# Altium PCB PCB.PcbDoc (part 1 of 2)
Units mil, origin at the board's own origin, x right, y up, seen from the top; angles counter-clockwise.
Board outline 4724.62 x 3937.2 mil, 2 copper layers (Top Layer, Bottom Layer); 163 components, 141 nets, 550 pads, 397 vias.
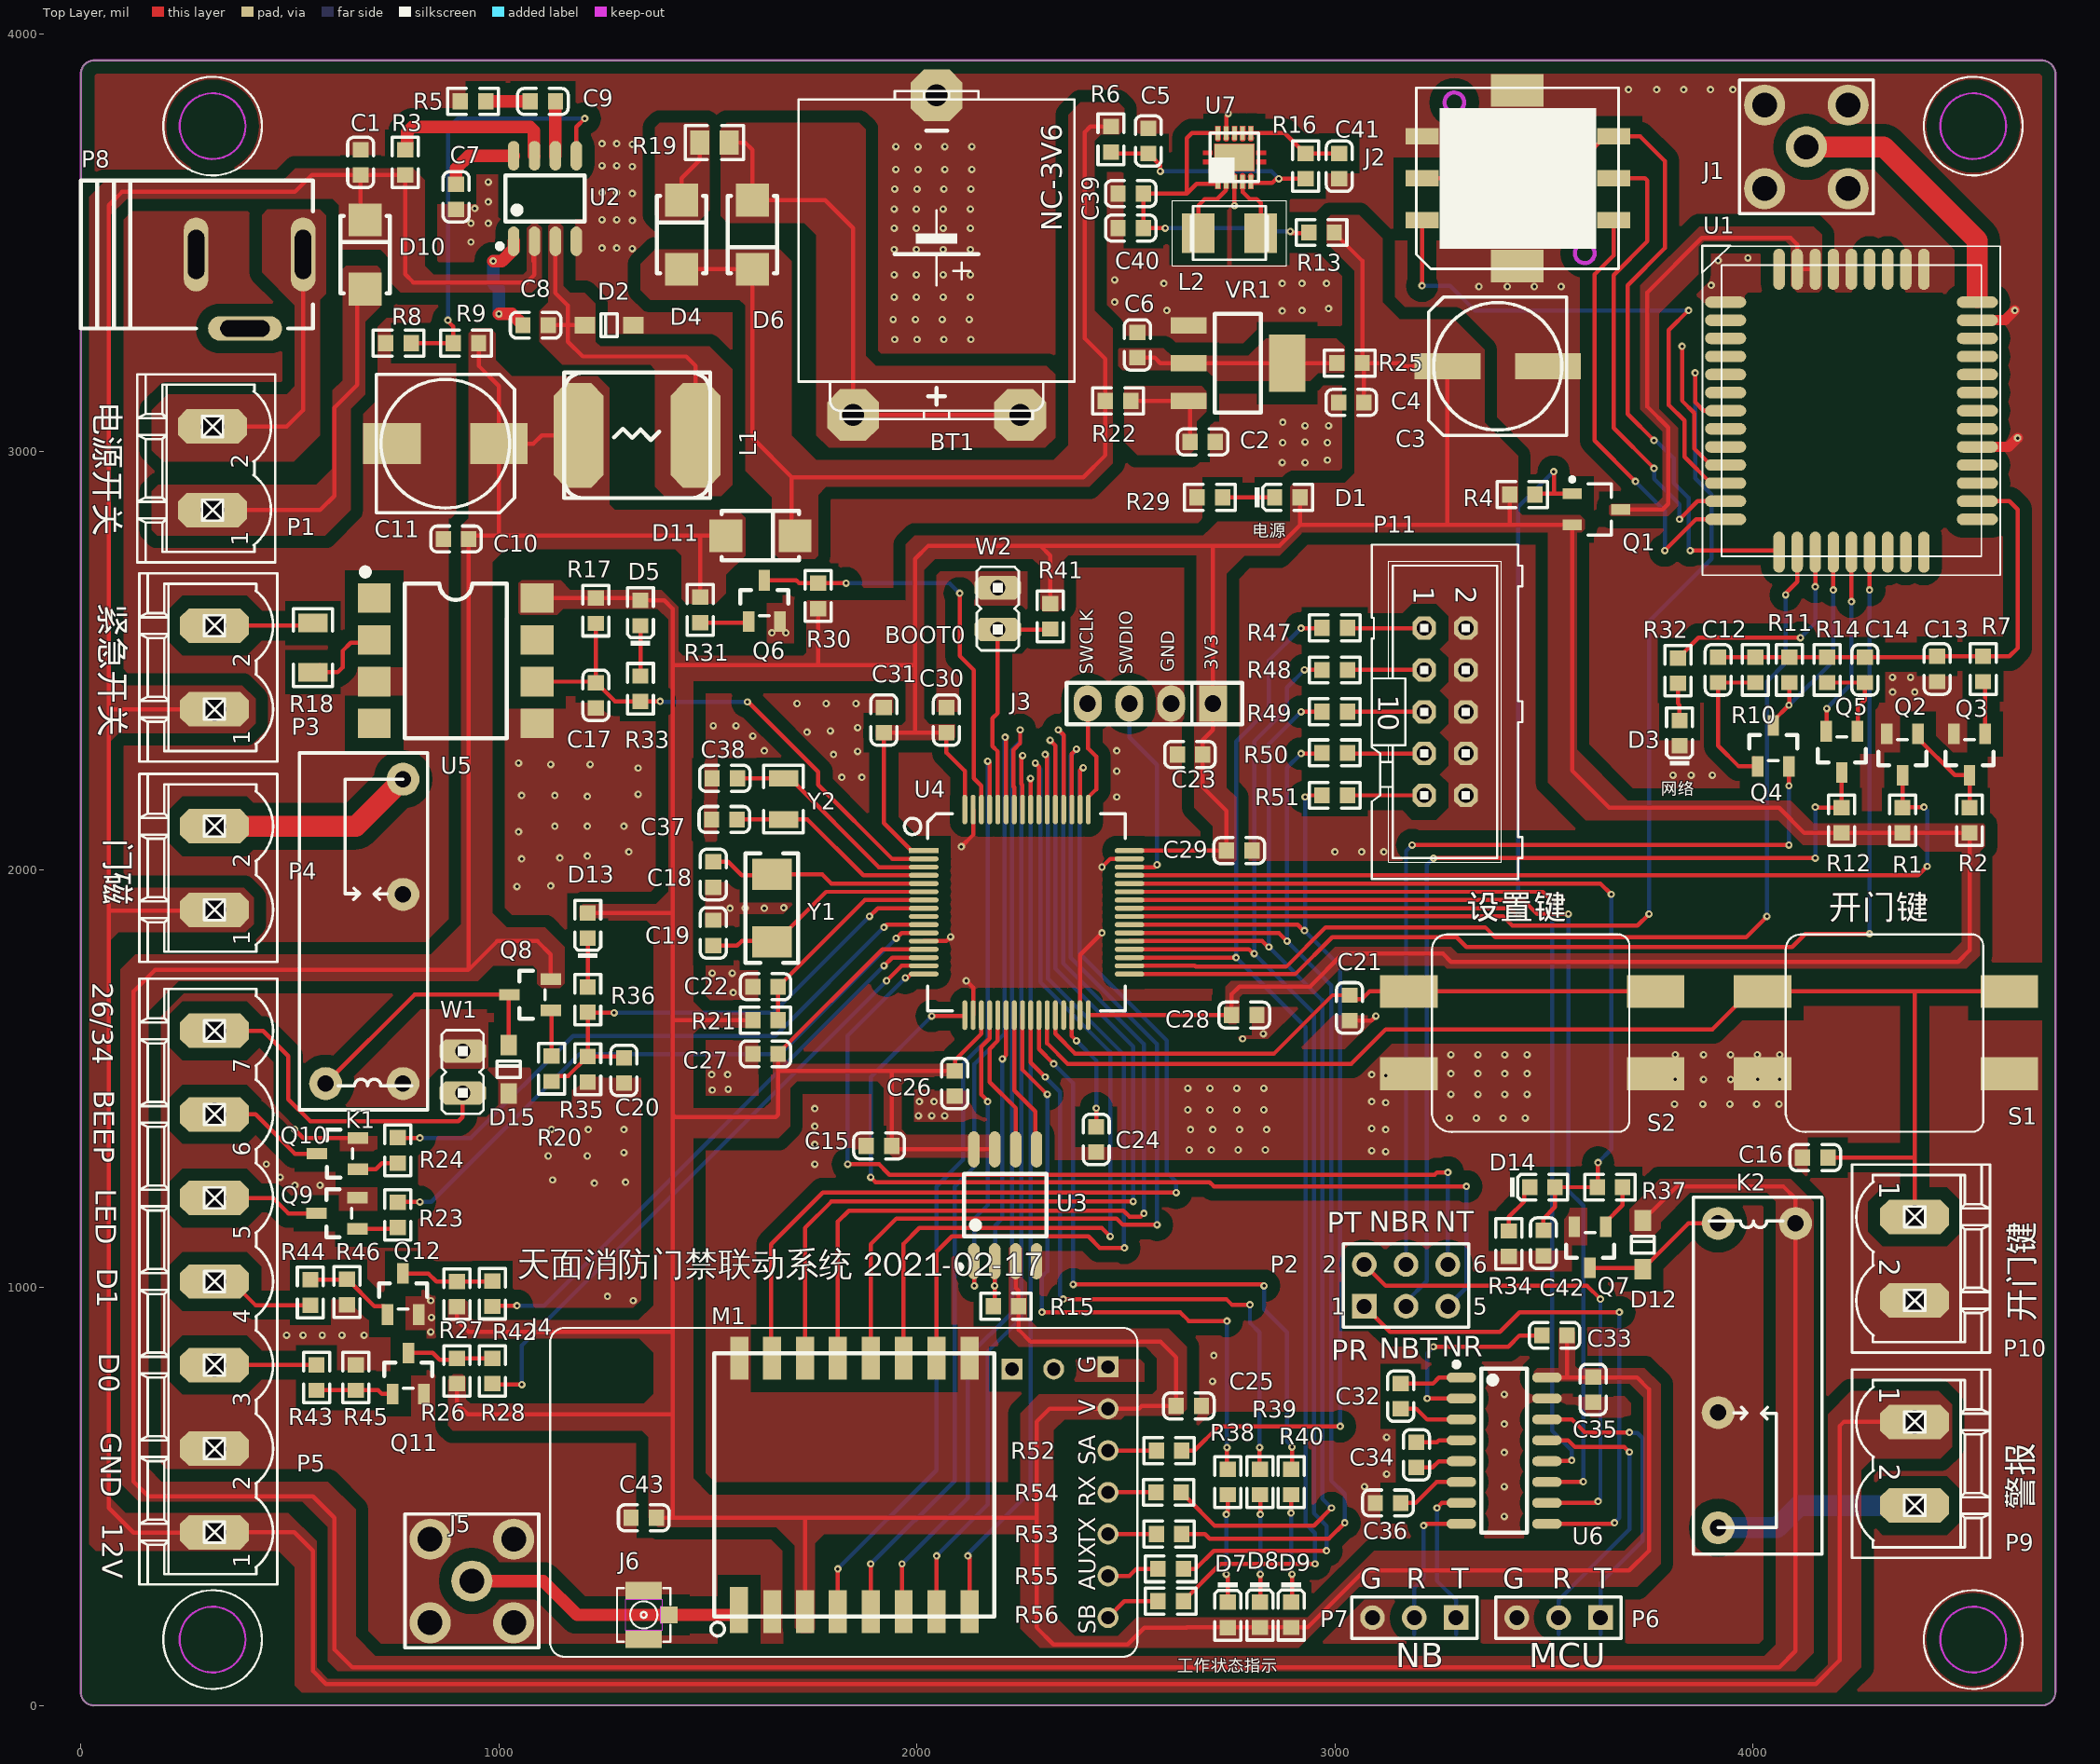
[diagram p0: Top Layer view]
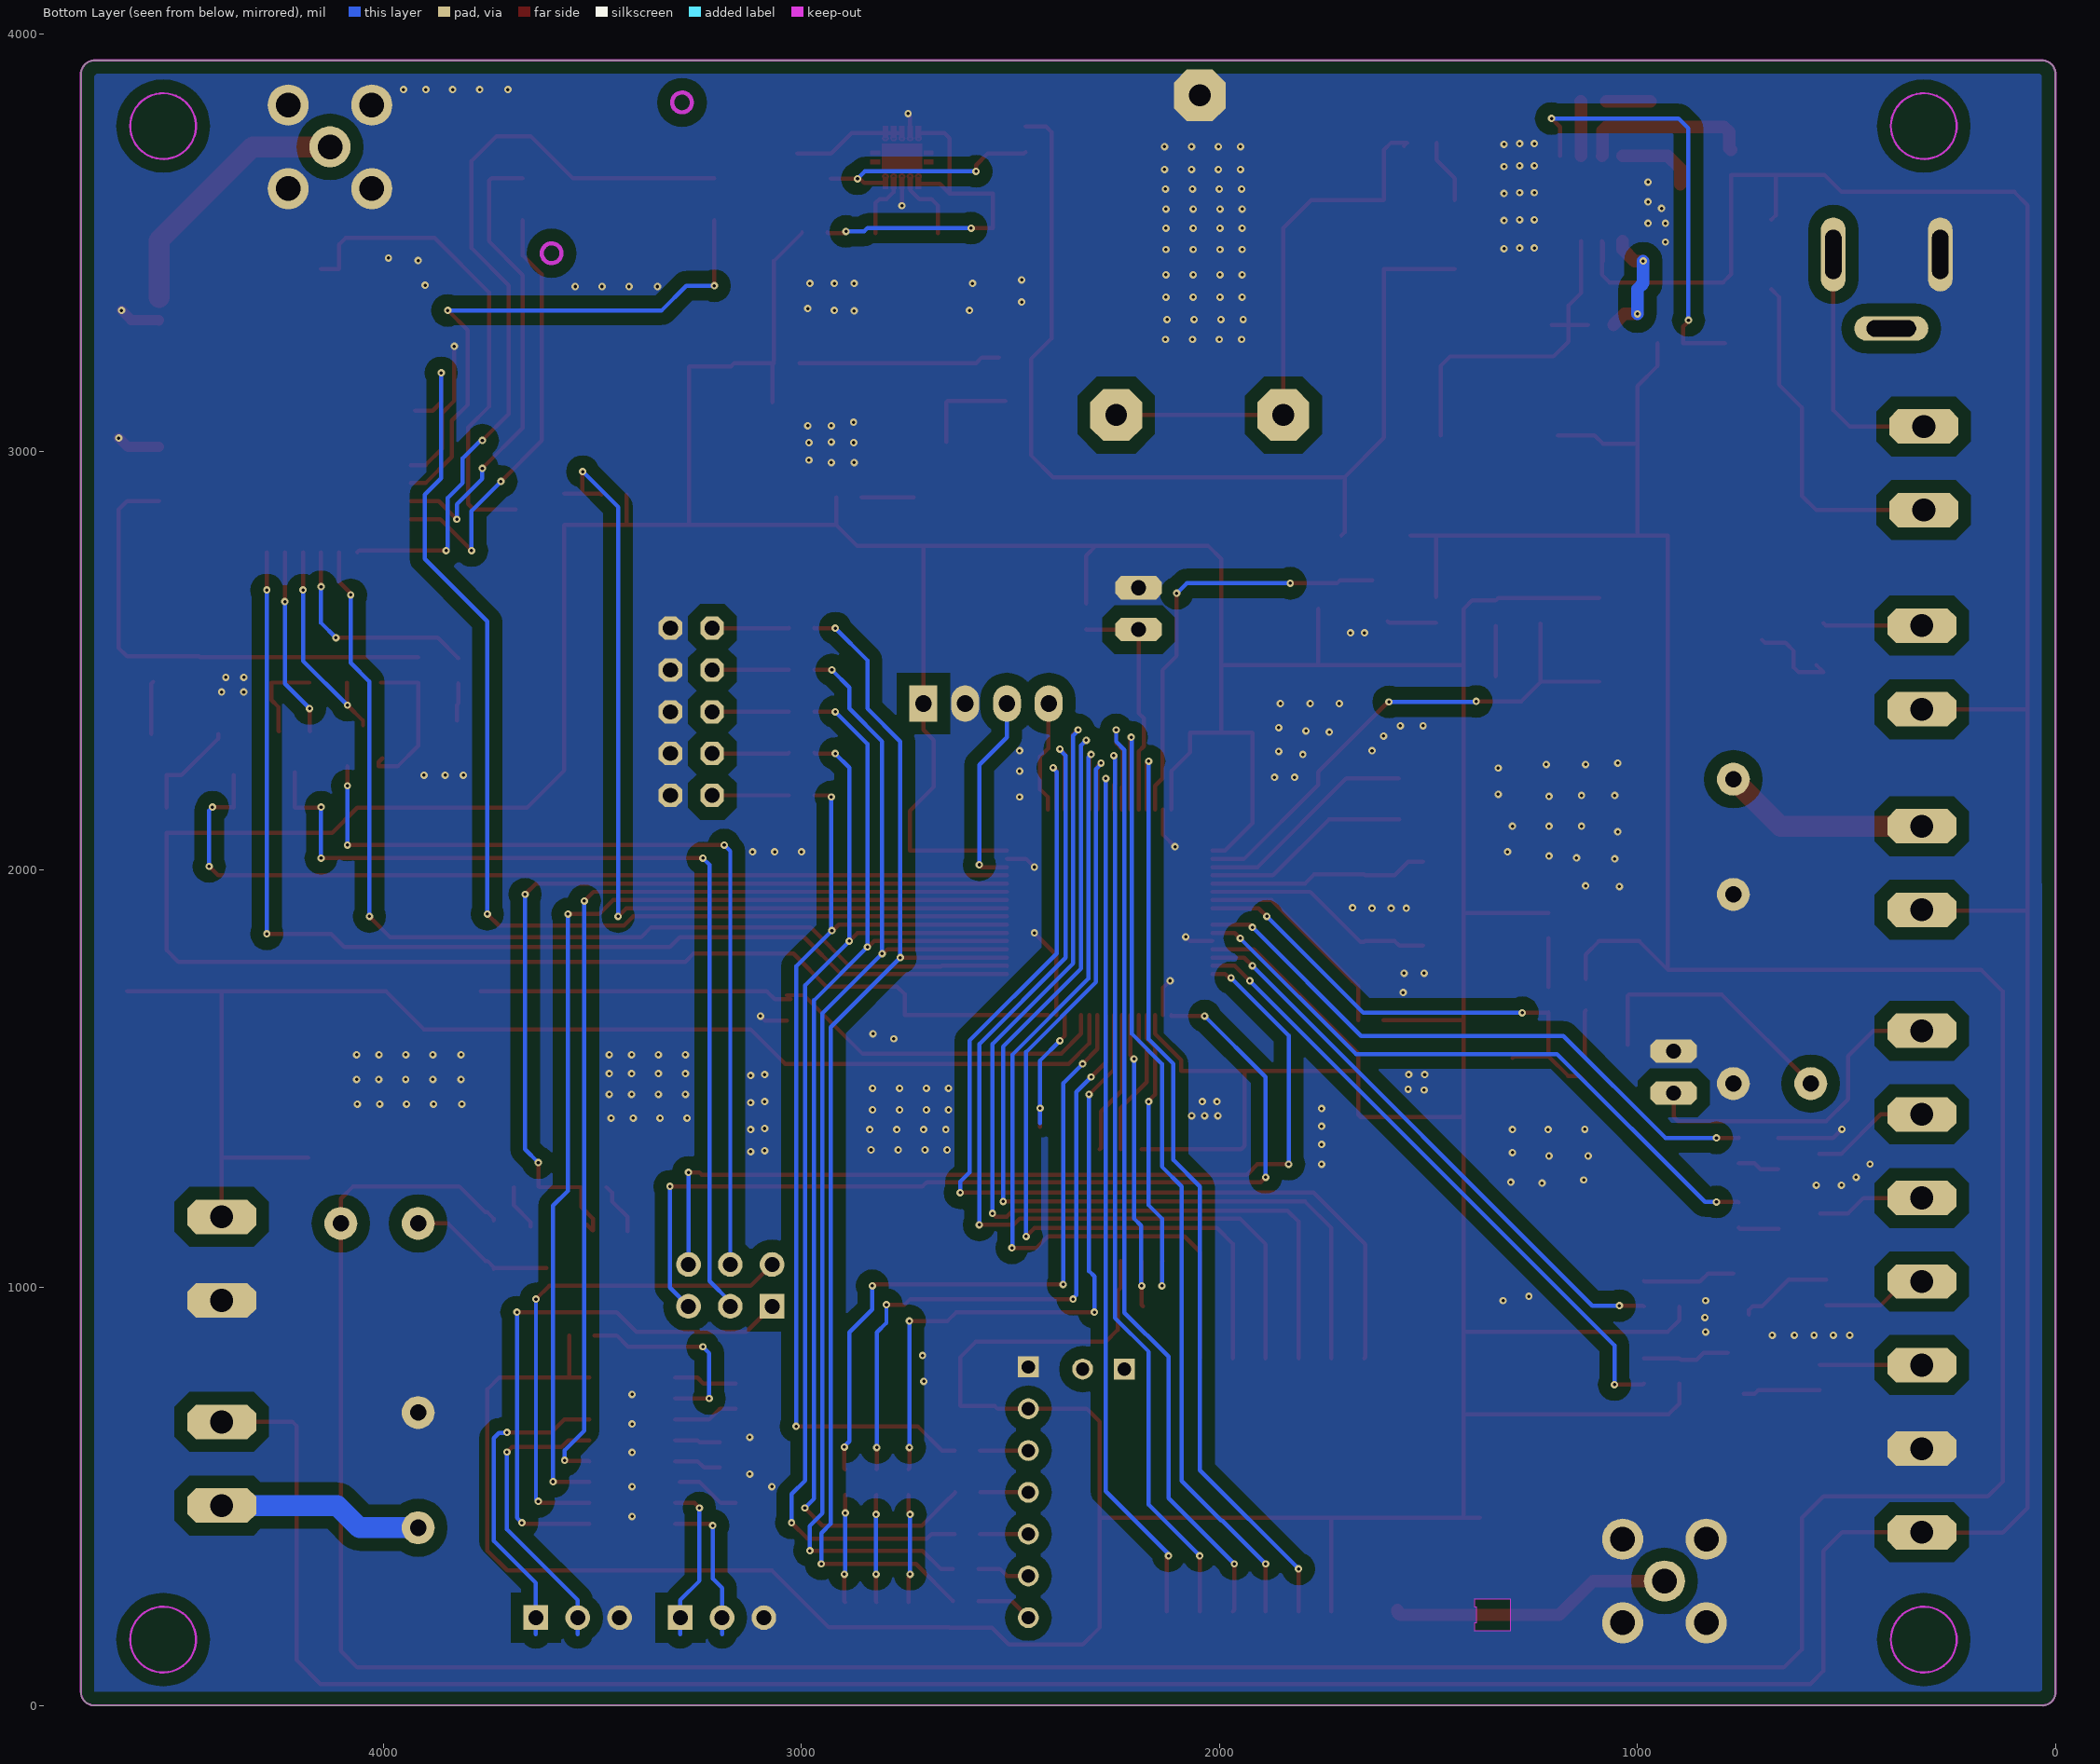
[diagram p1: Bottom Layer view, seen from below]
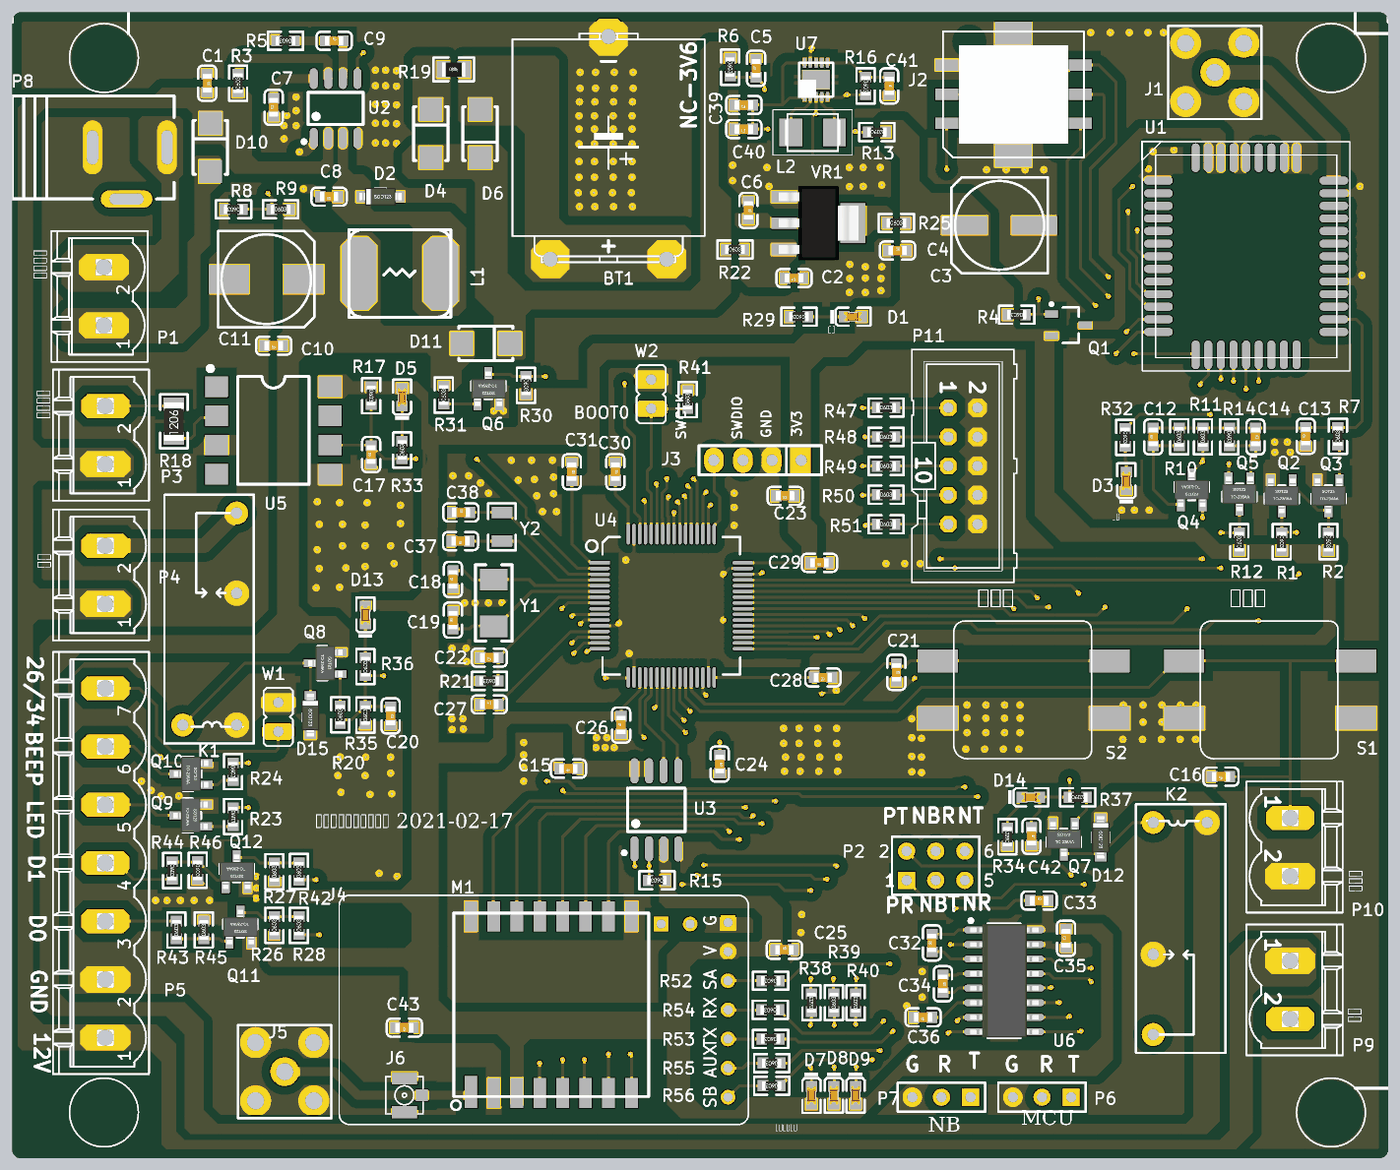
[diagram p3: 3D render of the assembled board from above, using the file's embedded part models]

## Layer stack, top to bottom
Top Solder: solder mask 0.4, Solder Resist, Dk 3.5
Top Layer: signal copper 1.4
Dielectric 1: dielectric 12.6, FR-4, Dk 4.8
Bottom Layer: signal copper 1.4
Bottom Solder: solder mask 0.4, Solder Resist, Dk 3.5

## Board outline
-0.21,32.41 0,3902.4 -0.03,3902.4 cw(c32.3,3904.7) 35,3937.01 4687.81,3937.01 4687.81,3936.87 cw(c4691.1,3903.7) 4724.41,3902.4 4724.41,32.4 cw(c4692.2,32.2) 4692.4,0 35,0 cw(c31.2,31.2)

## Design rules (kind name [scope] priority, off if disabled: settings)
Clearance [All] p1: gap=30 ignorepadtopadclearanceinfootprint=FALSE
PlaneConnect [All] p1: planeconnectstyle=Direct reliefexpansion=20 reliefentries=4 reliefconductorwidth=10 reliefairgap=10
PolygonConnect [All] p1: connectstyle=Direct reliefconductorwidth=10 reliefentries=4 polygonreliefangle="90 Angle" airgapwidth=10
RoutingVias [All] p1: holewidth=7.87 width=17.72 viastyle="Through Hole" minholewidth=7.87 minwidth=17.72 maxholewidth=28 maxwidth=50
SolderMaskExpansion [All] p1: expansion=4 istentingtop=FALSE
Width [All] p1: maxlimit=100 minlimit=10 preferedwidth=10
29 further rules are at their usual default settings.

## Components (designator, comment, footprint, x,y, rotation, side; value= is the part's Value field where it differs from the comment)
BT1 "Battery" 3V60R 2047.24,3488.19 r90 top
C1 "100nF (104) 10% 50V" 0603_C 669.29,3692.91 r270 top
C2 "100nF (104) 10% 50V" 0603_C 2684.06,3023.62 r180 top
C3 "220uF 10V" 153CLV-0807 3389.76,3204.72 r180 top
C4 "100nF (104) 10% 50V" 0603_C 3039.37,3118.15 r0 top
C5 "10uF (106) 10% 10V" 0603_C 2553.94,3744.09 r90 top
C6 "100nF (104) 10% 50V" 0603_C 2527.56,3255.91 r270 top
C7 "100nF (104) 10% 50V" 0603_C 897.64,3610.24 r90 top
C8 "10nF (103) 10% 50V" 0603_C 1087.8,3303.15 r180 top
C9 "3.3nF (332) 10% 50V" 0603_C 1105.28,3838.58 r0 top
C10 "100nF (104) 10% 50V" 0603_C 897.64,2791.34 r180 top
C11 "470uF/16V" 153CLV-0810 872.05,3019.68 r0 top
C12 "1nF (102) 10% 50V" 0603_C 3917.32,2478.11 r90 top
C13 "1uF (105) 10% 50V" 0603_C 4440.94,2480.32 r90 top
C14 "1nF (102) 10% 50V" 0603_C 4268.54,2478.11 r270 top
C15 "100nF (104) 10% 50V" 0603_C 1909.45,1338.58 r180 top
C16 "10nF (103) 10% 50V" 0603_C 4149.61,1311.02 r180 top
C17 "10nF (103) 10% 50V" 0603_C 1232.28,2417.32 r90 top
C18 "22pF (220) 5% 50V" 0603_C 1512.99,1988.49 r90 top
C19 "22pF (220) 5% 50V" 0603_C 1512.99,1848.72 r90 top
C20 "10nF (103) 10% 50V" 0603_C 1299.21,1519.68 r270 top
C21 "10nF (103) 10% 50V" 0603_C 3035.43,1669.29 r270 top
C22 "100nF (104) 10% 50V" 0603_C 1637.94,1719.83 r180 top
C23 "100nF (104) 10% 50V" 0603_C 2653.54,2275.59 r180 top
C24 "4.7uF (475) 10% 16V" 0603_C 2429.13,1354.33 r270 top
C25 "100nF (104) 10% 50V" 0603_C 2650.79,716.54 r0 top
C26 "100nF (104) 10% 50V" 0603_C 2090.55,1488.19 r90 top
C27 "100nF (104) 10% 50V" 0603_C 1637.8,1559.06 r0 top
C28 "100nF (104) 10% 50V" 0603_C 2783.46,1651.87 r180 top
C29 "100nF (104) 10% 50V" 0603_C 2771.45,2045.57 r180 top
C30 "100nF (104) 10% 50V" 0603_C 2070.87,2358.27 r270 top
C31 "100nF (104) 10% 50V" 0603_C 1921.26,2358.27 r270 top
C32 "100nF (104) 10% 50V" 0603_C 3157.48,739.88 r90 top
C33 "100nF (104) 10% 50V" 0603_C 3525.55,885.51 r0 top
C34 "100nF (104) 10% 50V" 0603_C 3195.24,599.45 r270 top
C35 "100nF (104) 10% 50V" 0603_C 3618.11,755.91 r90 top
C36 "100nF (104) 10% 50V" 0603_C 3127.17,484.25 r180 top
C37 "15pF (150) 5% 50V" 0603_C 1539.37,2120.08 r180 top
C38 "15pF (150) 5% 50V" 0603_C 1540.55,2218.5 r0 top
C39 "10uF (106) 10% 10V" 0603_C 2511.81,3618.11 r180 top
C40 "10uF (106) 10% 10V" 0603_C 2511.81,3535.43 r180 top
C41 "100nF (104) 10% 50V" 0603_C 3010.76,3683.66 r270 top
C42 "10nF (103) 10% 50V" 0603_C 3499.34,1106.3 r270 top
C43 "100nF (104) 10% 50V" 0603_C 1346.46,448.82 r180 top
D1 "红灯 0603" 0603_LED_S1 2886.42,2890.94 r0 top
D2 "B5819W  SL" SOD-123 1263.78,3303.15 r0 top
D3 "绿灯 0603" 0603_LED_S1 3824.96,2326.77 r90 top
D4 "SS54" SMA(DO-214AC)_S1 1437.01,3519.68 r270 top
D5 "红灯 0603" 0603_LED_S1 1338.58,2614.17 r90 top
D6 "SS54" SMA(DO-214AC)_S1 1606.3,3519.68 r90 top
D7 "红灯 0603" 0603_LED_S1 2743.98,216.46 r270 top
D8 "绿灯 0603" 0603_LED_S1 2820.67,216.77 r270 top
D9 "黄灯 0603" 0603_LED_S1 2895.55,216.77 r270 top
D10 "M7" SMA(DO-214AC)_S1 680.24,3472.44 r270 top
D11 "SS54" SMA(DO-214AC)_S1 1625.98,2799.21 r180 top
D12 "B5819W  SL" SOD-123 3736.93,1102.36 r270 top
D13 "红灯 0603" 0603_LED_S1 1212.6,1866.14 r90 top
D14 "红灯 0603" 0603_LED_S1 3496.77,1240.16 r0 top
D15 "B5819W  SL" SOD-123 1023.62,1522.24 r270 top
J1 "CON5" T-5P 4128.13,3729.71 r0 top
J2 "CON8" NANOSIM 3772.01,3435.88 r90 top
J3 "CON5" SIP4 2708.66,2397.64 r180 top
J4 "ROLA PIN" "ROLA MODULE" 2342.52,509.88 r180 top
J5 "CON5" T-5P 935.22,297.42 r0 top
J6 "Header 3" COAXIAL/SMD/CON/V/I-PEX/W08-5801 1346.46,216.54 r90 top
K1 "G5NB-1A-E" G5NB-1A 770.6,1488.19 r90 top
K2 "G5NB-1A-E" G5NB-1A 3917.32,1153.54 r270 top
L1 "PSSL0804T-220M" L7-8 1330.71,3039.37 r180 top
L2 "2.2uH ±10%" L4532M 2748.03,3523.62 r180 top
M1 "Ra-01 Module" "Ra-01 Module" 1850.39,527.56 r90 top
P1 "Header 2" MSTBV2 314.96,2960.63 r90 top
P2 "Header 3X2" HDR2X3 3070.55,955.12 r0 top
P3 "Header 2" MSTBV2 319.69,2484.06 r90 top
P4 "Header 2" MSTBV2 319.69,2004.06 r90 top
P5 "Header 7" MSTBV7 319.69,1014.37 r90 top
P6 "Header 3" HDR1X3 3635.55,209.88 r180 top
P7 "Header 3" HDR1X3 3290.24,209.88 r180 top
P8 "Header 3H" "POWER_SOCK _INSERT_5" 275.59,3472.44 r270 top
P9 "Header 2" MSTBV2 4387.6,578.35 r270 top
P10 "Header 2" MSTBV2 4387.6,1069.13 r270 top
P11 "Header 5X2" ML10 3263.78,2377.95 r270 top
Q1 "AO3401A P道沟 X13A15 SOT-23" SOT-23-3L 3625.98,2862.2 r180 top
Q2 "SS8050 Y1" SOT-23(SOT-23-3) 4358.27,2275.59 r90 top
Q3 "SS8050 Y1" SOT-23(SOT-23-3) 4518.7,2275.59 r90 top
Q4 "SS8050 Y1" SOT-23(SOT-23-3) 4049.21,2296.42 r270 top
Q5 "SS8050 Y1" SOT-23(SOT-23-3) 4213.03,2282.05 r90 top
Q6 "SS8050 Y1" SOT-23(SOT-23-3) 1635.04,2643.31 r270 top
Q7 "SS8050 Y1" SOT-23(SOT-23-3) 3610.61,1096.46 r90 top
Q8 "SS8550 Y2" SOT-23(SOT-23-3) 1074.8,1700.79 r0 top
Q9 "SS8050 Y1" SOT-23(SOT-23-3) 612.6,1177.61 r0 top
Q10 "SS8050 Y1" SOT-23(SOT-23-3) 613.98,1320.34 r0 top
Q11 "MMBT5551  G1" SOT-23(SOT-23-3) 783.46,794.37 r270 top
Q12 "MMBT5551  G1" SOT-23(SOT-23-3) 770.6,984.37 r270 top
R1 "1MΩ (1004) ±1%" 0603_R 4358.27,2118.11 r270 top
R2 "1MΩ (1004) ±1%" 0603_R 4518.7,2118.11 r270 top
R3 "100KΩ (1003) ±1%" 0603_R 775.59,3692.91 r90 top
R4 "1MΩ (1004) ±1%" 0603_R 3448.82,2897.64 r180 top
R5 "5.6KΩ (5601) ±1%" 0603_R 938.19,3838.58 r180 top
R6 "0Ω (0R0) ±1%" 0603_R 2464.57,3748.03 r270 top
R7 "1KΩ (1001) ±1%" 0603_R 4551.18,2480.32 r90 top
R8 "33KΩ (3302) ±1%" 0603_R 759.84,3259.84 r180 top
R9 "150KΩ (1503) ±1%" 0603_R 921.26,3259.84 r0 top
R10 "4.7KΩ (4701) ±1%" 0603_R 4006.54,2478.11 r90 top
R11 "10KΩ (1002) ±1%" 0603_R 4087.99,2478.11 r90 top
R12 "10KΩ (1002) ±1%" 0603_R 4212.6,2118.11 r90 top
R13 "0Ω (0R0) ±1%" 0603_R 2968.5,3525 r0 top
R14 "4.7KΩ (4701) ±1%" 0603_R 4178.24,2478.11 r270 top
R15 "510Ω (5100) ±1%" 0603_R 2213.39,955.12 r180 top
R16 "100Ω (1000) ±1%" 0603_R 2929.91,3683.66 r270 top
R17 "10KΩ (1002) ±1%" 0603_R 1232.28,2619.74 r270 top
R18 "1KΩ (1001) ±1%" 1206_R 555.12,2531.5 r90 top
R19 "100Ω (1000) ±1%" 0805_R 1515.75,3740.16 r0 top
R20 "1KΩ (1001) ±1%" 0603_R 1125.98,1523.62 r90 top
R21 "10KΩ (1002) ±1%" 0603_R 1637.94,1639.83 r180 top
R22 "0Ω (0R0) ±1%" 0603_R 2481.5,3121.69 r0 top
R23 "1KΩ (1001) ±1%" 0603_R 758.27,1173.68 r270 top
R24 "1KΩ (1001) ±1%" 0603_R 757.94,1328.27 r270 top
R25 "0Ω (0R0) ±1%" 0603_R 3035.43,3212.6 r0 top
R26 "10KΩ (1002) ±1%" 0603_R 900,800.12 r90 top
R27 "10KΩ (1002) ±1%" 0603_R 900,984.37 r90 top
R28 "0Ω (0R0) ±1%" 0603_R 984.25,800.12 r90 top
R29 "3.3KΩ (3301) ±1%" 0603_R 2701.08,2890.94 r180 top
R30 "10KΩ (1002) ±1%" 0603_R 1763.78,2655.12 r270 top
R31 "4.7KΩ (4701) ±1%" 0603_R 1481.5,2621.65 r90 top
R32 "3.3KΩ (3301) ±1%" 0603_R 3821.02,2476.38 r270 top
R33 "3.3KΩ (3301) ±1%" 0603_R 1338.58,2433.07 r90 top
R34 "3.3KΩ (3301) ±1%" 0603_R 3416.63,1104.97 r90 top
R35 "10KΩ (1002) ±1%" 0603_R 1212.6,1522.24 r90 top
R36 "3.3KΩ (3301) ±1%" 0603_R 1212.6,1688.98 r90 top
R37 "1KΩ (1001) ±1%" 0603_R 3658.19,1240.16 r0 top
R38 "3.3KΩ (3301) ±1%" 0603_R 2743.98,534.45 r90 top
R39 "3.3KΩ (3301) ±1%" 0603_R 2820.67,534.45 r90 top
R40 "3.3KΩ (3301) ±1%" 0603_R 2895.55,534.45 r90 top
R41 "100KΩ (1003) ±1%" 0603_R 2318.9,2606.3 r90 top
R42 "0Ω (0R0) ±1%" 0603_R 984.25,985.04 r90 top
R43 "10KΩ (1002) ±1%" 0603_R 563.68,784.37 r90 top
R44 "10KΩ (1002) ±1%" 0603_R 548.89,988.19 r270 top
R45 "10KΩ (1002) ±1%" 0603_R 657.65,784.37 r90 top
R46 "10KΩ (1002) ±1%" 0603_R 636.75,989.37 r270 top
R47 "0Ω (0R0) ±1%" 0603_R 3000,2578.74 r0 top
R48 "0Ω (0R0) ±1%" 0603_R 3000,2477.95 r0 top
R49 "0Ω (0R0) ±1%" 0603_R 3000,2377.95 r0 top
R50 "0Ω (0R0) ±1%" 0603_R 3000,2279.53 r0 top
R51 "0Ω (0R0) ±1%" 0603_R 3000,2177.95 r0 top
R52 "0Ω (0R0) ±1%" 0603_R 2603.67,609.88 r180 top
R53 "0Ω (0R0) ±1%" 0603_R 2603.67,409.88 r180 top
R54 "0Ω (0R0) ±1%" 0603_R 2602.36,509.88 r180 top
R55 "0Ω (0R0) ±1%" 0603_R 2607.44,326.77 r180 top
R56 "0Ω (0R0) ±1%" 0603_R 2607.44,249.17 r180 top
S1 "SW-DPST" 12*12_KEY 4318.9,1610.24 r0 top
S2 "SW-DPST" 12*12_KEY 3472.44,1610.24 r0 top
U1 "*" M26 4236.22,3098.43 r0 top
U2 "MP1482DS" SOIC-8_150mil 1110.24,3606.3 r0 top
U3 "W25Q128JVSIQTR" SOIC-8_208mil 2211.39,1196.85 r0 top
U4 "STM32F401RE" LQFP64 2016.54,2045.57 r0 top
U5 "6N137S(TA)" SMD-8_6.3mm 896.77,2500.06 r270 top
U6 "MAX232ESE" SOIC-16_150mil 3405.24,609.45 r270 top
U7 "TPS63001" DRC-S-PVSON-N10 2759.84,3704.72 r0 top
VR1 "AMS1117-3.3" SOT-223 2768.31,3212.24 r180 top
W1 "Jumper" JP1 913.39,1515.75 r180 top
W2 "Jumper" JP1 2193.7,2624.8 r180 top
Y1 "8MHz ±20ppm 20pF" SMD-5032_2P 1653.16,1907.78 r270 top
Y2 "32.768KHz ±20ppm 12.5pF" "SMD-3215_2P FC - 135" 1681.1,2169.29 r90 top
